# Altium PCB Production_v4.PcbDoc (part 3 of 3)
Units mil, origin at the board's own origin, x right, y up, seen from the top; angles counter-clockwise.
Board outline 7165 x 20545 mil, 4 copper layers (Top Layer, Mid-Layer 1, Mid-Layer 2, Bottom Layer), stack 30.6 mil thick; 72 components, 127 nets, 3500 pads, 124 vias.
Unrouted connection lines stored in the file: 1159.
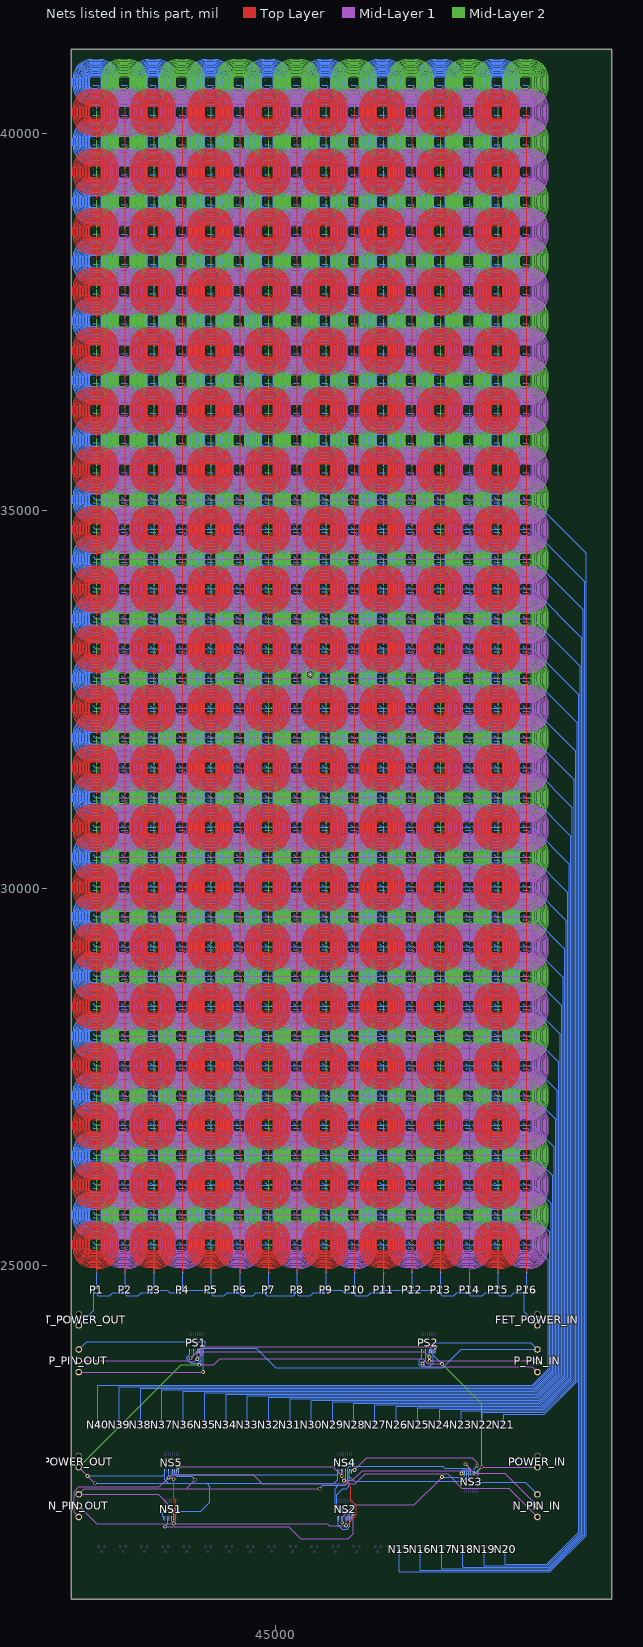
[diagram p5: the nets of this part, all layers, seen from the top]

## Via types
v1: diameter 50, hole 28, Top Layer to Bottom Layer, 124 vias

## Nets (pads, with @x,y where several pads share a name; then routed paths per layer and width w, separated by ;. In a path a pad name is that pad's centre, name@x,y a point inside that pad or via, vN(x,y) a via of type N, cw(c..) or ccw(c..) an arc to the next point about the centre after c; other vN are vias at no path point) (continued)
N15: *.N26 N15.2 | length 17009.4
  Bottom Layer w10: N15.2@46632.1,21205.16 46632.1,20942.9 46635,20940 48630.29,20940 49110,21419.71 49110,34440 48400,35150 *.N26@48355,35150
N16: *.N25 N16.2 | length 16269.4
  Bottom Layer w10: N16.2@46913.68,21205.16 46913.68,20961.32 46915,20960 48622.01,20960 49090,21427.99 49090,34060 48395,34755 *.N25@48355,34755
N17: *.N24 N17.2 | length 15532.4
  Bottom Layer w10: N17.2@47195.26,21205.16 47195.26,20984.74 47200,20980 48613.73,20980 49070,21436.27 49070,33690 48400,34360 *.N24@48355,34360
N18: *.N23 N18.2 | length 14795.3
  Bottom Layer w10: N18.2@47476.84,21205.16 47476.84,21003.16 47480,21000 48605.44,21000 49050,21444.56 49050,33315 48400,33965 *.N23@48355,33965
N19: *.N22 N19.2 | length 14068.2
  Bottom Layer w10: N19.2@47758.42,21205.16 47758.42,21021.58 47760,21020 48597.16,21020 49030,21452.84 49030,32940 48400,33570 ; *.N22@48355,33570 48400,33570 ; 48390,33570 48400,33570
N20: *.N21 N20.2 | length 13321.1
  Bottom Layer w10: N20.2@48040,21205.16 48040,21040 48588.87,21040 49010,21461.13 49010,32565 48400,33175 *.N21@48355,33175
N21: *.N20 N21.2 | length 10867.7
  Bottom Layer w10: N21.2@48015.21,22919.84 48017.4,22919.84 48017.4,23027.4 48020,23030 48554.56,23030 48990,23465.44 48990,32190 48400,32780 *.N20@48355,32780
N22: *.N19 N22.2 | length 10735.9
  Bottom Layer w10: N22.2@47732.19,22919.84 47735,22919.84 47735,23050 48546.27,23050 48970,23473.73 48970,31815 48400,32385 *.N19@48355,32385
N23: *.N18 N23.2 | length 10598.1
  Bottom Layer w10: N23.2@47449.17,22919.84 47452.6,22919.84 47452.6,23067.6 47455,23070 48537.99,23070 48950,23482.01 48950,31435 48395,31990 *.N18@48355,31990
N24: *.N17 N24.2 | length 10466.2
  Bottom Layer w10: N24.2@47166.15,22919.84 47170.2,22919.84 47170.2,23085.2 47175,23090 48529.71,23090 48930,23490.29 48930,31065 48400,31595 *.N17@48355,31595
N25: *.N16 N25.2 | length 10347.6
  Bottom Layer w10: N25.2@46883.13,22919.84 46875.99,22919.84 46875.99,23105.99 46880,23110 48521.42,23110 48910,23498.58 48910,30690 48400,31200 *.N16@48355,31200
N26: *.N15 N26.2 | length 10211.5
  Bottom Layer w10: N26.2@46600.11,22919.84 46593.59,22919.84 46593.59,23123.59 46600,23130 48513.14,23130 48890,23506.86 48890,30315 48400,30805 *.N15@48355,30805
N27: *.N14 N27.2 | length 10079.9
  Bottom Layer w10: N27.2@46317.08,22919.84 46311.19,22919.84 46311.19,23148.81 46312.38,23150 48504.85,23150 48870,23515.15 48870,29940 48400,30410 *.N14@48355,30410
N28: *.N13 N28.2 | length 9945.3
  Bottom Layer w10: N28.2@46034.06,22919.84 46028.79,22919.84 46028.79,23168.79 46030,23170 48496.57,23170 48850,23523.43 48850,29565 48400,30015 *.N13@48355,30015
N29: *.N12 N29.2 | length 9801
  Bottom Layer w10: N29.2@45751.04,22919.84 45753.23,22919.84 45753.23,23188.23 45755,23190 48488.28,23190 48830,23531.72 48830,29190 48400,29620 *.N12@48355,29620
N30: *.N11 N30.2 | length 9665.8
  Bottom Layer w10: N30.2@45468.02,22919.84 45470.21,22919.84 45470.21,23205.21 45475,23210 48480,23210 48810,23540 48810,28815 48400,29225 *.N11@48355,29225
N31: *.N10 N31.2 | length 9533.6
  Bottom Layer w10: N31.2@45185,22919.84 45187.19,22919.84 45187.19,23227.19 45190,23230 48471.72,23230 48790,23548.28 48790,28440 48400,28830 *.N10@48355,28830
N32: *.N9 N32.2 | length 9398.4
  Bottom Layer w10: N32.2@44901.98,22919.84 44904.17,22919.84 44904.17,23244.17 44910,23250 48463.43,23250 48770,23556.57 48770,28065 48400,28435 *.N9@48355,28435
N33: *.N8 N33.2 | length 9266.2
  Bottom Layer w10: N33.2@44618.96,22919.84 44621.15,22919.84 44621.15,23266.15 44625,23270 48455.15,23270 48750,23564.85 48750,27690 48400,28040 *.N8@48355,28040
N34: *.N7 N34.2 | length 9134
  Bottom Layer w10: N34.2@44335.94,22919.84 44338.13,22919.84 44338.13,23288.13 44340,23290 48446.86,23290 48730,23573.14 48730,27315 48400,27645 *.N7@48355,27645
N35: *.N6 N35.2 | length 9001.8
  Bottom Layer w10: N35.2@44052.92,22919.84 44055.11,22919.84 44055.11,23309.9 44055,23310 48438.58,23310 48710,23581.42 48710,26940 48400,27250 *.N6@48355,27250
N36: *.N5 N36.2 | length 8866.5
  Bottom Layer w10: N36.2@43769.9,22919.84 43772.08,22919.84 43772.08,23327.08 43775,23330 48430.29,23330 48690,23589.71 48690,26565 48400,26855 *.N5@48355,26855
N37: *.N4 N37.2 | length 8744.3
  Bottom Layer w10: N37.2@43486.87,22919.84 43489.06,22919.84 43489.06,23349.06 43490,23350 48422.01,23350 48670,23597.99 48670,26190 48400,26460 ; *.N4@48355,26460 48400,26460 ; 48390,26460 48400,26460
N38: *.N3 N38.2 | length 8599.1
  Bottom Layer w10: N38.2@43203.85,22919.84 43206.04,22919.84 43206.04,23366.04 43210,23370 48413.73,23370 48650,23606.27 48650,25815 48400,26065 *.N3@48355,26065
N39: *.N2 N39.2 | length 8466.9
  Bottom Layer w10: N39.2@42920.83,22919.84 42923.02,22919.84 42923.02,23388.02 42925,23390 48405.44,23390 48630,23614.56 48630,25440 48400,25670 *.N2@48355,25670
N40: *.N1 N40.2 | length 8341.7
  Bottom Layer w10: N40.2@42637.81,22919.84 42637.81,22916 N40.2@42640,22916 ; N40.2@42640,22915 N40.2@42640,22916 ; 48280,25306.3 48281.3,25306.3 ; *.N1@48355,25275 48400,25275 48610,25065 48610,23622.84 48397.16,23410 42645,23410 42640,23405 N40.2@42640,22916
NetN_PIN_IN_1: N_PIN_IN.1 N_PIN_OUT.1 NS5.14 | length 7016.7
  Mid-Layer 1 w10: N_PIN_OUT.1@42385,21665 42325,21725 42325,22000 42388,22063 43454,22063 v1(43577,22186) 43614,22223 44699,22223 44817,22105 46052,22105 46184,22237 47275,22237 47464,22048 48082,22048 N_PIN_IN.1@48465,21665
  Bottom Layer w10: v1(43577,22186) NS5.14@43577,22270
NetN_PIN_IN_2: N_PIN_IN.2 N_PIN_OUT.2 NS1.12 NS2.12 NS3.12 NS4.12 NS5.12 | length 8480.5
  Top Layer w10: v1(43643,22165.29) 43643,21904 43665,21882 43665,21597 v1(43645,21577) ; v1(45903,22150.29) 45993,22060.29 45993,21890 46065,21818 46065,21687 v1(45928,21550)
  Mid-Layer 1 w10: N_PIN_OUT.2@42385,21815 42623,21577 v1(43645,21577) 45681,21577 45708,21550 v1(45928,21550) ; v1(45903,22150.29) 46011.17,22150.29 46140.89,22280 47596.71,22280 ; v1(47512,22364.71) 47596.71,22280 ; N_PIN_IN.2@48465,21815 48034,22246 47630.71,22246 47596.71,22280
  Bottom Layer w10: NS1.12@43618,21650 43618,21604 v1(43645,21577) ; NS5.12@43628,22270 43628,22180.29 v1(43643,22165.29) ; v1(45903,22150.29) 45923,22170.29 NS4.12@45923,22270 ; v1(45928,21550) NS2.12@45928,21650 ; v1(47512,22364.71) 47577,22299.71 NS3.12@47577,22245
NetN_PIN_IN_3: N_PIN_IN.3 N_PIN_OUT.3 NS1.11 NS2.11 NS3.11 NS4.11 NS5.11 | length 9117.8
  Mid-Layer 1 w10: v1(43625,21730) 43625,21777.14 43437.14,21965 N_PIN_OUT.3@42385,21965 42460,22040 43810.93,22040 ; v1(43930,22159.07) 43810.93,22040 ; v1(45580,22040) 43810.93,22040
  Bottom Layer w10: v1(43625,21730) 43643,21712 NS1.11@43643,21650 ; NS5.11@43653,22270 43653,22232 43680,22205 43884.07,22205 v1(43930,22159.07) ; v1(45580,22040) 45623,22083 45826,22083 ; NS2.11@45953,21650 45950,21720 45878.42,21720 45783,21815.42 45783,22040 45826,22083 ; N_PIN_IN.3@48465,21965 48305,22125 47592,22125 47552,22165 NS3.11@47552,22245 47552,22296 47539,22309 47239,22309 47208,22340 45968,22340 45948,22320 NS4.11@45948,22270 45948,22111 45920,22083 45826,22083
NetNS1_14: NS1.14 NS2.9 | length 3056.5
  Mid-Layer 1 w10: v1(43527,21537) 45166,21537 45327,21376 45960,21376 46025,21441 v1(46025,21709)
  Bottom Layer w10: v1(43527,21537) 43567,21577 NS1.14@43567,21650 ; NS2.9@46005,21650 46005,21689 v1(46025,21709)
NetNS2_14: NS2.14 NS3.9 | length 2015.2
  Mid-Layer 1 w10: v1(45877,21590) 45877,21664 46040,21827 46833,21827 v1(47201,22195)
  Bottom Layer w10: v1(45877,21590) NS2.14@45877,21650 ; v1(47201,22195) 47480,22195 47500,22215 NS3.9@47500,22245
NetNS3_14: NS3.14 NS4.9 | length 1935.8
  Mid-Layer 1 w10: v1(46042,22289) 46202,22449 47603,22449 47668,22384 v1(47668,22345)
  Bottom Layer w10: NS4.9@46000,22270 46000,22289 v1(46042,22289) ; NS3.14@47628,22245 47628,22305 v1(47668,22345)
NetNS4_14: NS4.14 NS5.9 | length 2335.3
  Mid-Layer 1 w10: v1(43705,22329) 45753,22329 v1(45872,22210)
  Bottom Layer w10: NS5.9@43705,22270 v1(43705,22329) ; v1(45872,22210) NS4.14@45872,22270
NetP_PIN_IN_1: P_PIN_IN.1 PS2.14 | length 1746.6
  Mid-Layer 1 w10: v1(46942,23701) 46988,23655 48395,23655 P_PIN_IN.1@48465,23585
  Bottom Layer w10: v1(46942,23701) 46982,23741 PS2.14@46982,23860
NetP_PIN_IN_2: P_PIN_IN.2 P_PIN_OUT.2 PS1.12 PS2.12 | length 6395.3
  Mid-Layer 1 w10: P_PIN_OUT.2@42385,23735 43830,23735 43845,23720 43918,23720 v1(43958,23760) 44052,23854 46964,23854 v1(47033,23785) ; v1(47033,23735) P_PIN_IN.2@48465,23735
  Bottom Layer w10: v1(43958,23760) PS1.12@43958,23860 ; v1(47033,23735) v1(47033,23785) PS2.12@47033,23860
NetP_PIN_IN_3: P_PIN_IN.3 P_PIN_OUT.3 PS1.11 PS2.11 | length 8099
  Bottom Layer w10: P_PIN_OUT.3@42385,23885 42489,23989 43991,23989 44002,24000 44043,24000 44063,23980 44063,23927 44040,23904 ; PS1.11@43983,23860 43983,23904 44040,23904 ; PS2.11@47058,23860 47058,23951 47080,23973 48377,23973 P_PIN_IN.3@48465,23885 47455,23885 47211,23641 45000,23641 44737,23904 44040,23904
NetP_PIN_OUT_1: P_PIN_OUT.1 PS1.9 | length 1925
  Mid-Layer 1 w10: P_PIN_OUT.1@42385,23585 v1(44035,23585)
  Bottom Layer w10: v1(44035,23585) PS1.9@44035,23860
NetPS1_14: PS1.14 PS2.9 | length 3471.7
  Mid-Layer 1 w10: v1(43867,23769) 44017,23919 v1(47110,23919)
  Bottom Layer w10: v1(43867,23769) 43907,23809 PS1.14@43907,23860 ; PS2.9@47110,23860 v1(47110,23919)
P1: *.P1 P1.2 | length 196.1
  Bottom Layer w10: P1.2@42625,24714.37 *.P1@42625,24910.43
P2: *.P2 P2.2 | length 195.6
  Bottom Layer w10: P2.2@43005,24714.37 *.P2@43005,24910
P3: *.P3 P3.2 | length 196.1
  Bottom Layer w10: P3.2@43385,24714.37 *.P3@43385,24910.43
P4: *.P4 P4.2 | length 195.6
  Bottom Layer w10: P4.2@43765,24714.37 *.P4@43765,24910
P5: *.P5 P5.2 | length 196.1
  Bottom Layer w10: P5.2@44145,24714.37 *.P5@44145,24910.43
P6: *.P6 P6.2 | length 195.6
  Bottom Layer w10: P6.2@44525,24714.37 *.P6@44525,24910
P7: *.P7 P7.2 | length 196.1
  Bottom Layer w10: P7.2@44905,24714.37 *.P7@44905,24910.43
P8: *.P8 P8.2 | length 195.6
  Bottom Layer w10: P8.2@45285,24714.37 *.P8@45285,24910
P9: *.P9 P9.2 | length 196.1
  Bottom Layer w10: P9.2@45665,24714.37 *.P9@45665,24910.43
P10: *.P10 P10.2 | length 195.6
  Bottom Layer w10: P10.2@46045,24714.37 *.P10@46045,24910
P11: *.P11 P11.2 | length 196.1
  Bottom Layer w10: P11.2@46425,24714.37 *.P11@46425,24910.43
P12: *.P12 P12.2 | length 195.6
  Bottom Layer w10: P12.2@46805,24714.37 *.P12@46805,24910
P13: *.P13 P13.2 | length 196.1
  Bottom Layer w10: P13.2@47185,24714.37 *.P13@47185,24910.43
P14: *.P14 P14.2 | length 195.6
  Bottom Layer w10: P14.2@47565,24714.37 *.P14@47565,24910
P15: *.P15 P15.2 | length 196.1
  Bottom Layer w10: P15.2@47945,24714.37 *.P15@47945,24910.43
P16: *.P16 P16.2 | length 195.6
  Bottom Layer w10: P16.2@48325,24714.37 *.P16@48325,24910
VCC: NS1.10 NS1.16 NS2.10 NS2.16 NS3.10 NS3.16 NS4.10 NS4.16 NS5.10 NS5.16 POWER_IN.1 POWER_OUT.1 PS1.10 PS1.16 PS2.10 PS2.16 | length 20706.7
  Mid-Layer 1 w10: POWER_OUT.1@42385,22325 v1(42501,22209) v1(42598,22112) ; v1(43985,23682) 44178,23682 44256,23760 46948,23760 47013,23695 v1(47200,23695) ; v1(47727,22325) POWER_IN.1@48465,22325
  Mid-Layer 2 w10: POWER_OUT.1@42385,22325 43742,23682 v1(43985,23682) ; v1(47200,23695) 47727,23168 v1@47727,22333 ; v1(47458,22240) 47634,22240 v1@47727,22333 ; v1(47727,22325) v1@47727,22333
  Bottom Layer w10: v1(42501,22209) 43500,22209 43525,22234 ; v1(42598,22112) 43573,22112 ; NS1.16@43515,21650 43515,21672 43501,21672 43501,21730 43520,21749 43540,21749 43569,21778 43662,21778 43669,21771 43669,21700 ; NS5.16@43525,22270 43525,22234 ; NS1.10@43669,21650 43669,21700 ; NS5.10@43679,22270 43679,22237 43690,22226 45810,22226 45820,22236 ; PS1.16@43855,23860 43855,23823 43815,23783 43815,23760 43875,23700 43960,23700 44009,23749 ; v1(43985,23682) 44009,23706 44009,23749 ; PS1.10@44009,23860 44009,23749 ; NS4.16@45820,22270 45820,22236 ; NS2.16@45825,21650 45825,21558 45880,21503 45942,21503 45979,21540 NS2.10@45979,21650 45979,21720 45959,21740 45892.32,21740 45803,21829.32 45803,21960 45883,22040 45934,22040 45974,22080 45974,22200 ; NS4.10@45974,22270 45974,22200 ; PS2.16@46930,23860 46930,23768 46902,23740 46902,23679 46920,23661 46956.71,23661 46959.71,23664 47040,23664 47084,23708 47084,23811 ; PS2.10@47084,23860 47084,23811 ; v1(47200,23695) 47084,23811 ; v1(47458,22240) 47478,22260 47478,22289 47522,22289 47526,22285 NS3.10@47526,22245 47526,22192 47473.96,22139.96 46034.04,22139.96 45974,22200 ; NS3.16@47680,22245 47680,22278 v1(47727,22325) v1@47727,22333 ; 43525,22234 43525,22160 43573,22112 ; 43573,22112 44080,22112 ; 43669,21700 43709.57,21740.57 44001.57,21740.57 44123,21862 44123,22069 44080,22112 ; 44080,22112 45772,22112 45820,22160 45820,22236
VCC-5V: FET_POWER_IN.1 FET_POWER_OUT.1 P1.3 P2.3 P3.3 P4.3 P5.3 P6.3 P7.3 P8.3 P9.3 P10.3 P11.3 P12.3 P13.3 P14.3 P15.3 P16.3 | length 7286.6
  Bottom Layer w10: FET_POWER_OUT.1@42385,24205 42587.6,24407.6 P1.3@42587.6,24635.63 42606,24635.63 42643.63,24598 42796,24598 42833.63,24635.63 P2.3@42967.6,24635.63 42986,24635.63 43023.63,24598 43176,24598 43213.63,24635.63 P3.3@43347.6,24635.63 43347.6,24664 43352.6,24669 43560.63,24669 43594,24635.63 P4.3@43727.6,24635.63 43727.6,24656.6 43740,24669 44071,24669 44104.37,24635.63 P5.3@44107.6,24635.63 44126,24635.63 44163.63,24598 44316,24598 44353.63,24635.63 P6.3@44487.6,24635.63 44506,24635.63 44543.63,24598 44696,24598 44733.63,24635.63 P7.3@44867.6,24635.63 44867.6,24610 44877.6,24600 45237.6,24600 45247.6,24610 P8.3@45247.6,24635.63 45266,24635.63 45303.63,24598 45456,24598 45493.63,24635.63 P9.3@45627.6,24635.63 45627.6,24656.6 45640,24669 45873,24669 45906.37,24635.63 P10.3@46007.6,24635.63 46026,24635.63 46063.63,24598 46216,24598 46253.63,24635.63 P11.3@46387.6,24635.63 46387.6,24656.6 46400,24669 46726,24669 46759.37,24635.63 P12.3@46767.6,24635.63 46767.6,24664 46772.6,24669 47147.6,24669 P13.3@47147.6,24635.63 47166,24635.63 47203.63,24598 47356,24598 47393.63,24635.63 P14.3@47527.6,24635.63 47545.37,24635.63 47583,24598 47735.37,24598 47773,24635.63 P15.3@47907.6,24635.63 47926,24635.63 47963.63,24598 48116,24598 48153.63,24635.63 P16.3@48287.6,24635.63 48287.6,24382.4 FET_POWER_IN.1@48465,24205
pads on no net: *.1 *.2 NS1.9

## Keep-outs
Keep-Out Layer:
  lines w10: 42280,20575 42280,41125 49455,41125 49455,20650 49455,20615 49455,20575 42280,20575

## Silkscreen, mask and mechanical layers (free items; w line width, h text height)
Top Overlay:
  text "GND" at 42450,24310 h60
  text "GND" at 48540,24310 h60
  text "VCC-5V" at 42450,24165 h60
  text "VCC-5V" at 48540,24165 h60
  text "P_CLOCK" at 42450,23835 h60
  text "P_CLOCK" at 48540,23835 h60
  text "P_LATCH" at 42450,23685 h60
  text "P_LATCH" at 48540,23685 h60
  text "P_DATA_OUT" at 42450,23540 h60
  text "P_DATA_IN" at 48540,23540 h60
  text "GND" at 42450,22430 h60
  text "GND" at 48540,22430 h60
  text "VCC" at 42450,22285 h60
  text "VCC" at 48540,22285 h60
  text "N_CLOCK" at 42450,21920 h60
  text "N_CLOCK" at 48540,21920 h60
  text "N_LATCH" at 42450,21770 h60
  text "N_LATCH" at 48540,21770 h60
  text "N_DATA" at 42450,21615 h60
  text "N_DATA" at 48540,21615 h60
  text "2017-07-21 / Production_v4.pcbDoc / Magnet Actuator / Ryo Suzuki / Kevin Kuwata" at 42330,20620 h60

## Text inside footprints (layer, text, board x,y; h text height)
NS1: Mechanical 1 "*" at 43516.84,21913 h73.82 r90; Bottom Overlay "*" at 43516.84,21913 h73.82 r90
NS2: Mechanical 1 "*" at 45826.84,21913 h73.82 r90; Bottom Overlay "*" at 45826.84,21913 h73.82 r90
NS3: Mechanical 1 "*" at 47678.16,21982 h73.82 r270; Bottom Overlay "*" at 47678.16,21982 h73.82 r270
NS4: Mechanical 1 "*" at 45821.84,22533 h73.82 r90; Bottom Overlay "*" at 45821.84,22533 h73.82 r90
NS5: Mechanical 1 "*" at 43526.84,22533 h73.82 r90; Bottom Overlay "*" at 43526.84,22533 h73.82 r90
PS1: Mechanical 1 "*" at 43856.84,24123 h73.82 r90; Bottom Overlay "*" at 43856.84,24123 h73.82 r90
PS2: Mechanical 1 "*" at 46931.84,24123 h73.82 r90; Bottom Overlay "*" at 46931.84,24123 h73.82 r90